# Allegro board S071AA-0413-20260427.brd (continued)
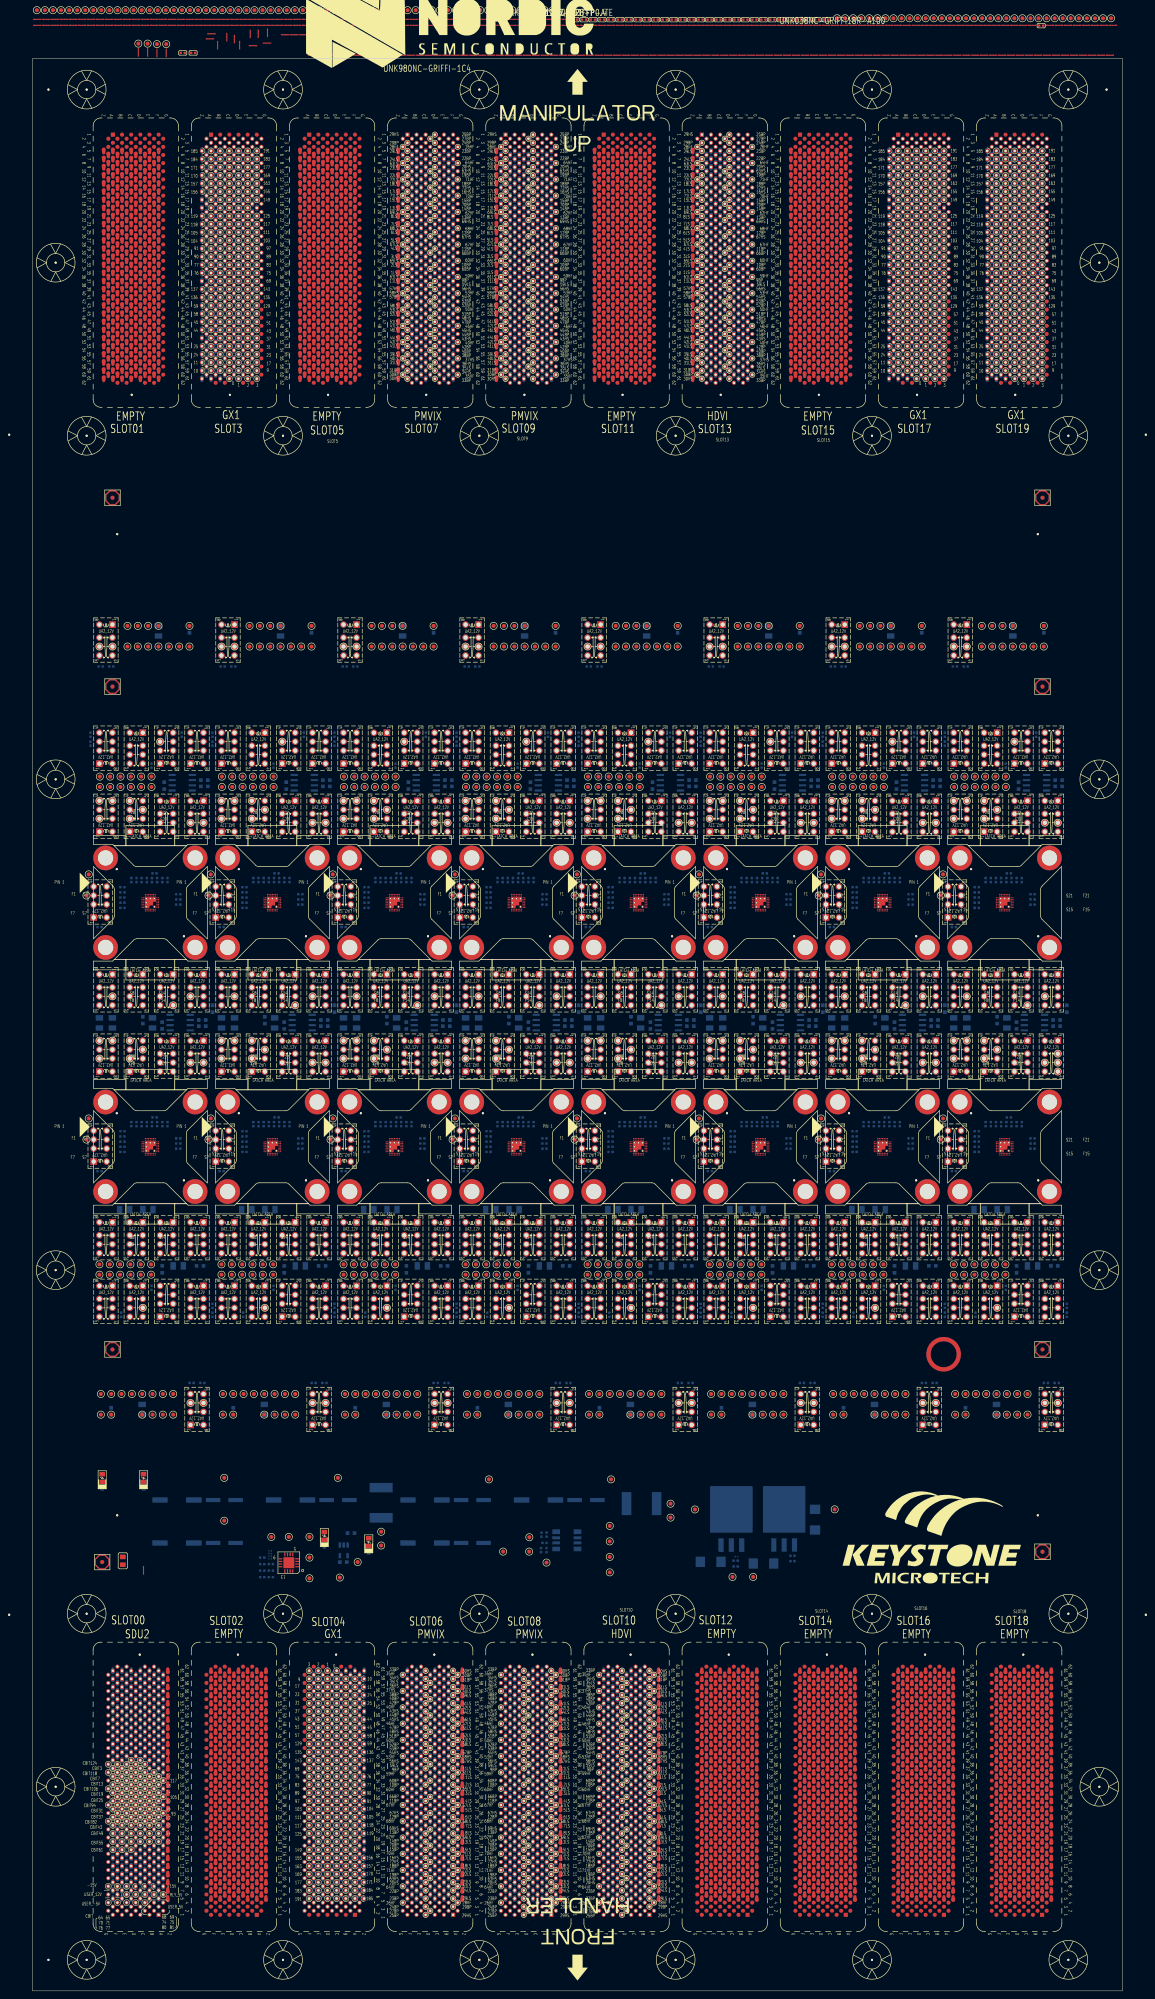
[diagram p0: board, top side]
## Placement (name value [footprint] x y rotation side) (continued)
NOREF#434  -  []  26.56 164.05 90 top
NOREF#435  -  []  222.06 230.38 90 top
NOREF#436  -  []  164.98 190.99 90 top
NOREF#437  -  []  91.4 233.58 0 top
NOREF#438  -  []  26.58 124.95 90 top
NOREF#439  -  []  154.59 225.98 90 top
NOREF#440  -  []  222.48 225.18 0 top
NOREF#441  -  []  178.35 207.84 45 top
NOREF#442  -  []  192.06 246.67 90 top
NOREF#443  -  []  194.98 281.49 90 top
NOREF#444  -  []  158.86 173.3 0 top
NOREF#445  -  []  87.13 183.53 90 top
NOREF#446  -  []  92.17 396.29 0 top
NOREF#447  -  []  68.04 456.29 0 top
NOREF#448  -  []  239.29 267.51 45 top
NOREF#449  -  []  61.01 206.29 90 top
NOREF#450  -  []  121.39 292.54 0 top
NOREF#451  -  []  147.04 82.65 0 top
NOREF#452  -  []  243.43 179.68 90 top
NOREF#453  -  []  42.06 183.53 90 top
NOREF#454  -  []  149.42 18.69 0 top
NOREF#455  -  []  161.4 298.06 90 top
NOREF#456  -  []  97.24 199.24 90 top
NOREF#457  -  []  53.93 284.94 90 top
NOREF#458  -  []  30.19 205.86 90 top
NOREF#459  -  []  105.36 120.65 0 top
NOREF#460  -  []  98.86 139.12 0 top
NOREF#461  -  []  118.35 207.84 315 top
NOREF#462  -  []  128.86 233.58 0 top
NOREF#463  -  []  241.39 292.54 0 top
NOREF#464  -  []  27.13 246.67 90 top
NOREF#465  -  []  195.06 263.86 90 top
NOREF#466  -  []  83.38 284.14 90 top
NOREF#467  -  []  248.86 233.58 0 top
NOREF#468  -  []  14.99 283.99 0 top
NOREF#469  -  []  57.79 209.51 0 top
NOREF#470  -  []  95.02 284.14 0 top
NOREF#471  -  []  58.65 266.87 45 top
NOREF#472  -  []  248.86 139.12 90 top
NOREF#473  -  []  46.47 335.86 0 top
NOREF#474  -  []  138.48 310.08 0 top
NOREF#475  -  []  26.56 224.33 90 top
NOREF#476  -  []  15.06 269.26 90 top
NOREF#477  -  []  26.39 82.65 0 top
NOREF#478  -  []  115.97 164.05 90 top
NOREF#479  -  []  136.47 301.68 0 top
NOREF#480  -  []  61.4 165.7 90 top
NOREF#481  -  []  52.99 286.49 0 top
NOREF#482  -  []  128.86 188.93 0 top
NOREF#483  -  []  226.47 307.08 90 top
NOREF#484  -  []  248.39 253.49 45 top
NOREF#485  -  []  21.07 240.62 90 top
NOREF#486  -  []  25.39 17.15 90 top
NOREF#487  -  []  109.94 164.9 0 top
NOREF#488  -  []  14.22 225.18 90 top
NOREF#489  -  []  20.22 174.1 0 top
NOREF#490  -  []  116.96 268.69 0 top
NOREF#491  -  []  169.67 183.53 90 top
NOREF#492  -  []  248.86 139.12 0 top
NOREF#493  -  []  218.86 188.93 0 top
NOREF#494  -  []  98.86 292.54 0 top
NOREF#495  -  []  194.3 17.15 90 top
NOREF#496  -  []  31.4 292.54 0 top
NOREF#497  -  []  108.36 179.68 90 top
NOREF#498  -  []  194.98 283.99 0 top
NOREF#499  -  []  169.67 181.33 90 top
NOREF#500  -  []  102.06 230.38 90 top
NOREF#501  -  []  222.06 244.47 90 top
NOREF#502  -  []  226.47 173.3 0 top
NOREF#503  -  []  15.07 337.51 0 top
NOREF#504  -  []  93.61 203.06 0 top
NOREF#505  -  []  15.06 263.86 0 top
NOREF#506  -  []  22.99 226.49 0 top
NOREF#507  -  []  31.4 168.9 90 top
NOREF#508  -  []  191.4 298.06 90 top
NOREF#509  -  []  158.39 253.49 45 top
NOREF#510  -  []  225.06 203.86 0 top
NOREF#511  -  []  98.39 193.49 45 top
NOREF#512  -  []  134.98 193.49 90 top
NOREF#513  -  []  220.89 239.1 90 top
NOREF#514  -  []  199.67 246.67 90 top
NOREF#515  -  []  208.35 267.84 45 top
NOREF#516  -  []  224.98 223.99 0 top
NOREF#517  -  []  243.41 250.67 0 top
NOREF#518  -  []  148.35 267.84 45 top
NOREF#519  -  []  104.99 221.49 90 top
NOREF#520  -  []  241.58 392.33 90 top
NOREF#521  -  []  132.06 183.53 90 top
NOREF#522  -  []  170.17 17.15 90 top
NOREF#523  -  []  76.47 301.68 90 top
NOREF#524  -  []  87.13 303.88 90 top
NOREF#525  -  []  79.28 18.69 0 top
NOREF#526  -  []  207.36 268.69 0 top
NOREF#527  -  []  72.48 284.14 0 top
NOREF#528  -  []  221.02 174.1 0 top
NOREF#529  -  []  117.13 301.68 90 top
NOREF#530  -  []  68.86 144.52 90 top
NOREF#531  -  []  165.92 225.18 90 top
NOREF#532  -  []  119.39 269.51 0 top
NOREF#533  -  []  169.67 244.47 90 top
NOREF#534  -  []  58.12 108.17 0 top
NOREF#535  -  []  154.59 181.33 90 top
NOREF#536  -  []  166.47 288.14 90 top
NOREF#537  -  []  57.13 165.7 90 top
NOREF#538  -  []  147.36 208.69 0 top
NOREF#539  -  []  147.13 183.53 90 top
NOREF#540  -  []  55.97 240.62 90 top
NOREF#541  -  []  196.47 225.98 90 top
NOREF#542  -  []  214.59 242.27 90 top
NOREF#543  -  []  192.06 287.14 90 top
NOREF#544  -  []  237.13 167.9 90 top
NOREF#545  -  []  164.19 105.45 0 top
NOREF#546  -  []  136.47 304.88 90 top
NOREF#547  -  []  211.39 292.54 0 top
NOREF#548  -  []  101.4 298.06 90 top
NOREF#549  -  []  38.51 105.11 0 top
NOREF#550  -  []  199.67 183.53 90 top
NOREF#551  -  []  57.13 185.73 90 top
NOREF#552  -  []  205.94 293.34 0 top
NOREF#553  -  []  132.06 284.94 90 top
NOREF#554  -  []  135.92 300.88 90 top
NOREF#555  -  []  147.13 246.67 90 top
NOREF#556  -  []  235.97 326.61 90 top
NOREF#557  -  []  213.43 164.05 90 top
NOREF#558  -  []  203.93 225.98 0 top
NOREF#559  -  []  43.88 117.35 90 top
NOREF#560  -  []  226.47 284.94 0 top
NOREF#561  -  []  65.02 225.18 0 top
NOREF#562  -  []  46.47 249.87 0 top
NOREF#563  -  []  30.67 176.51 90 top
NOREF#564  -  []  26.96 208.69 0 top
NOREF#565  -  []  100.89 283.29 90 top
NOREF#566  -  []  224.98 250.99 90 top
NOREF#567  -  []  79.67 185.73 90 top
NOREF#568  -  []  173.93 225.98 90 top
NOREF#569  -  []  85.97 240.62 90 top
NOREF#570  -  []  168.36 224.33 90 top
NOREF#571  -  []  79.67 181.33 90 top
NOREF#572  -  []  154.83 116.76 90 top
NOREF#573  -  []  43.91 456.29 0 top
NOREF#574  -  []  170.73 275.74 0 top
NOREF#575  -  []  166.47 284.94 0 top
NOREF#576  -  []  192.06 183.53 90 top
NOREF#577  -  []  210.18 265.86 90 top
NOREF#578  -  []  50.49 270.77 0 top
NOREF#579  -  []  130.18 389.27 90 top
NOREF#580  -  []  240.33 206.14 90 top
NOREF#581  -  []  244.59 289.34 90 top
NOREF#582  -  []  226.47 304.88 90 top
NOREF#583  -  []  22.99 286.49 0 top
NOREF#584  -  []  119.32 268.11 315 top
NOREF#585  -  []  71.4 296.54 90 top
NOREF#586  -  []  142.98 188.49 0 top
NOREF#587  -  []  247.23 199.24 90 top
NOREF#588  -  []  173.93 288.14 90 top
NOREF#589  -  []  212.82 456.29 0 top
NOREF#590  -  []  132.48 225.18 0 top
NOREF#591  -  []  136.47 231.38 90 top
NOREF#592  -  []  102.06 246.67 90 top
NOREF#593  -  []  46.47 225.98 0 top
NOREF#594  -  []  20.49 210.77 0 top
NOREF#595  -  []  28.37 267.15 315 top
NOREF#596  -  []  212.81 18.69 0 top
NOREF#597  -  []  195.06 267.06 90 top
NOREF#598  -  []  128.86 304.88 90 top
NOREF#599  -  []  248.19 18.69 90 top
NOREF#600  -  []  90.34 266.14 90 top
NOREF#601  -  []  33.43 179.68 90 top
NOREF#602  -  []  181.39 249.87 0 top
NOREF#603  -  []  239.38 209.51 0 top
NOREF#604  -  []  139.67 165.7 90 top
NOREF#605  -  []  120.84 164.9 90 top
NOREF#606  -  []  120.34 206.14 90 top
NOREF#607  -  []  238.35 207.84 315 top
NOREF#608  -  []  23.93 284.94 90 top
NOREF#609  -  []  237.36 268.69 0 top
NOREF#610  -  []  72.06 230.38 90 top
NOREF#611  -  []  237.36 208.69 0 top
NOREF#612  -  []  71.02 250.67 0 top
NOREF#613  -  []  151.39 233.58 0 top
NOREF#614  -  []  16.47 307.08 90 top
NOREF#615  -  []  33.99 389.27 90 top
NOREF#616  -  []  91.4 301.68 90 top
NOREF#617  -  []  68.86 301.68 90 top
NOREF#618  -  []  16.47 188.93 0 top
NOREF#619  -  []  19.67 185.73 90 top
NOREF#620  -  []  64.59 284.94 90 top
NOREF#621  -  []  170.48 270.77 0 top
NOREF#622  -  []  68.04 456.29 90 top
NOREF#623  -  []  232.08 83.81 0 top
NOREF#624  -  []  173.38 284.14 90 top
NOREF#625  -  []  43.88 106.81 90 top
NOREF#626  -  []  71.03 110.73 90 top
NOREF#627  -  []  87.13 167.9 90 top
NOREF#628  -  []  248.86 173.3 0 top
NOREF#629  -  []  49.67 167.9 90 top
NOREF#630  -  []  106.47 231.38 90 top
NOREF#631  -  []  237.13 242.27 90 top
NOREF#632  -  []  83.38 225.18 90 top
NOREF#633  -  []  166.47 231.38 90 top
NOREF#634  -  []  221.4 296.54 90 top
NOREF#635  -  []  43.88 117.35 0 top
NOREF#636  -  []  164.98 221.49 90 top
NOREF#637  -  []  57.13 181.33 90 top
NOREF#638  -  []  53.93 231.38 90 top
NOREF#639  -  []  75.06 203.86 90 top
NOREF#640  -  []  31.4 307.08 90 top
NOREF#641  -  []  244.59 244.47 90 top
NOREF#642  -  []  130.89 283.29 90 top
NOREF#643  -  []  210.18 205.86 90 top
NOREF#644  -  []  94.59 181.33 90 top
NOREF#645  -  []  28.53 300.03 90 top
NOREF#646  -  []  190.89 239.1 90 top
NOREF#647  -  []  31.4 233.58 0 top
NOREF#648  -  []  143.93 284.94 90 top
NOREF#649  -  []  148.65 266.87 45 top
NOREF#650  -  []  68.39 193.49 45 top
NOREF#651  -  []  194.3 17.15 0 top
NOREF#652  -  []  181.01 206.69 90 top
NOREF#653  -  []  211.39 301.68 0 top
NOREF#654  -  []  19.67 167.9 90 top
NOREF#655  -  []  195.3 82.65 0 top
NOREF#656  -  []  83.93 288.14 90 top
NOREF#657  -  []  169.67 246.67 90 top
NOREF#658  -  []  240.18 265.86 90 top
NOREF#659  -  []  40.9 239.1 90 top
NOREF#660  -  []  38.39 193.49 45 top
NOREF#661  -  []  229.67 165.7 90 top
NOREF#662  -  []  83.93 309.28 0 top
NOREF#663  -  []  22.53 283.29 0 top
NOREF#664  -  []  137.98 196.49 90 top
NOREF#665  -  []  176.71 103.44 90 top
NOREF#666  -  []  94.59 183.53 90 top
NOREF#667  -  []  145.94 293.34 0 top
NOREF#668  -  []  68.86 249.87 0 top
NOREF#669  -  []  190.89 224.33 90 top
NOREF#670  -  []  181.39 233.58 0 top
NOREF#671  -  []  41.02 336.66 0 top
NOREF#672  -  []  53.93 173.3 0 top
NOREF#673  -  []  68.04 396.29 0 top
NOREF#674  -  []  132.06 244.47 90 top
NOREF#675  -  []  28.35 267.84 315 top
NOREF#676  -  []  179.29 267.51 45 top
NOREF#677  -  []  101.02 174.1 0 top
NOREF#678  -  []  58.45 115.65 90 top
NOREF#679  -  []  206.96 208.69 0 top
NOREF#680  -  []  113.93 173.3 0 top
NOREF#681  -  []  135.56 82.55 0 top
NOREF#682  -  []  196.47 284.94 0 top
NOREF#683  -  []  91.4 188.93 0 top
NOREF#684  -  []  29.39 269.51 0 top
NOREF#685  -  []  86.96 208.69 0 top
NOREF#686  -  []  57.64 268.84 0 top
NOREF#687  -  []  34.6 183.53 90 top
NOREF#688  -  []  210.33 266.14 90 top
NOREF#689  -  []  127.55 203.78 0 top
NOREF#690  -  []  28.65 206.87 45 top
NOREF#691  -  []  198.36 283.29 90 top
NOREF#692  -  []  121.39 165.7 90 top
NOREF#693  -  []  88.35 207.84 45 top
NOREF#694  -  []  177.79 209.51 0 top
NOREF#695  -  []  192.06 230.38 90 top
NOREF#696  -  []  243.43 240.62 90 top
NOREF#697  -  []  57.82 107.19 0 top
NOREF#698  -  []  226.47 225.98 90 top
NOREF#699  -  []  34.6 289.34 90 top
NOREF#700  -  []  210.84 300.88 90 top
NOREF#701  -  []  252.06 170.1 90 top
NOREF#702  -  []  233.93 231.38 90 top
NOREF#703  -  []  109.67 244.47 90 top
NOREF#704  -  []  160.89 240.62 90 top
NOREF#705  -  []  199.67 181.33 90 top
NOREF#706  -  []  87.3 16.49 0 top
NOREF#707  -  []  187.36 333.84 90 top
NOREF#708  -  []  188.86 144.52 90 top
NOREF#709  -  []  191.4 296.54 90 top
NOREF#710  -  []  165.06 267.06 90 top
NOREF#711  -  []  27.64 208.84 0 top
NOREF#712  -  []  72.06 289.34 90 top
NOREF#713  -  []  147.13 167.9 90 top
NOREF#714  -  []  127.55 454.29 90 top
NOREF#715  -  []  203.93 225.98 90 top
NOREF#716  -  []  91.4 249.87 0 top
NOREF#717  -  []  252.06 181.33 90 top
NOREF#718  -  []  55.88 237.76 90 top
NOREF#719  -  []  244.59 225.98 90 top
NOREF#720  -  []  205.97 179.68 90 top
NOREF#721  -  []  227.98 218.49 0 top
NOREF#722  -  []  162.06 289.34 90 top
NOREF#723  -  []  113.93 284.94 0 top
NOREF#724  -  []  11.02 189.73 0 top
NOREF#725  -  []  153.41 234.38 0 top
NOREF#726  -  []  30.51 115.65 90 top
NOREF#727  -  []  59.02 106.54 90 top
NOREF#728  -  []  215.02 284.14 0 top
NOREF#729  -  []  229.67 246.67 90 top
NOREF#730  -  []  218.31 300.88 90 top
NOREF#731  -  []  64.59 181.33 90 top
NOREF#732  -  []  22.99 188.49 90 top
NOREF#733  -  []  226.47 284.94 90 top
NOREF#734  -  []  16.47 225.98 0 top
NOREF#735  -  []  161.02 336.66 0 top
NOREF#736  -  []  143.93 229.18 90 top
NOREF#737  -  []  55.97 326.61 90 top
NOREF#738  -  []  214.59 284.94 90 top
NOREF#739  -  []  138.18 452.29 90 top
NOREF#740  -  []  134.51 203.06 90 top
NOREF#741  -  []  180.33 206.14 90 top
NOREF#742  -  []  175.64 106.94 0 top
NOREF#743  -  []  35.02 284.14 0 top
NOREF#744  -  []  208.65 266.87 45 top
NOREF#745  -  []  82.73 114.89 0 top
NOREF#746  -  []  145.06 392.33 90 top
NOREF#747  -  []  252.06 228.18 90 top
NOREF#748  -  []  46.47 188.93 0 top
NOREF#749  -  []  87.41 300.88 0 top
NOREF#750  -  []  143.93 231.38 90 top
NOREF#751  -  []  184.59 244.47 90 top
NOREF#752  -  []  55.97 164.05 90 top
NOREF#753  -  []  163.42 19.69 90 top
NOREF#754  -  []  209.32 208.11 315 top
NOREF#755  -  []  164.51 203.06 90 top
NOREF#756  -  []  106.47 284.94 90 top
NOREF#757  -  []  49.95 164.9 0 top
NOREF#758  -  []  128.31 300.88 90 top
NOREF#759  -  []  172.46 106.41 0 top
NOREF#760  -  []  132.06 167.9 90 top
NOREF#761  -  []  90.84 300.88 90 top
NOREF#762  -  []  45.06 263.86 90 top
NOREF#763  -  []  165.06 203.86 90 top
NOREF#764  -  []  124.59 183.53 90 top
NOREF#765  -  []  104.84 117.35 90 top
NOREF#766  -  []  78.48 189.73 0 top
NOREF#767  -  []  123.41 250.67 0 top
NOREF#768  -  []  36 283.29 90 top
NOREF#769  -  []  173.93 290.34 90 top
NOREF#770  -  []  218.86 249.87 0 top
NOREF#771  -  []  240.67 176.51 90 top
NOREF#772  -  []  136.47 249.87 0 top
NOREF#773  -  []  30.34 206.14 90 top
NOREF#774  -  []  76.47 284.94 0 top
NOREF#775  -  []  30.65 236.45 90 top
NOREF#776  -  []  82.99 188.49 0 top
NOREF#777  -  []  228.48 189.73 0 top
NOREF#778  -  []  148.65 206.87 45 top
NOREF#779  -  []  197.98 278.49 0 top
NOREF#780  -  []  170.17 17.15 0 top
NOREF#781  -  []  162.06 167.9 90 top
NOREF#782  -  []  134.98 281.49 90 top
NOREF#783  -  []  184.59 284.94 90 top
NOREF#784  -  []  175.7 258.99 90 top
NOREF#785  -  []  178.37 267.15 315 top
NOREF#786  -  []  136.47 290.34 90 top
NOREF#787  -  []  218.86 292.54 0 top
NOREF#788  -  []  26.31 123.41 90 top
NOREF#789  -  []  58.12 106.22 0 top
NOREF#790  -  []  243.41 234.38 0 top
NOREF#791  -  []  94.59 244.47 90 top
NOREF#792  -  []  168.48 310.08 0 top
NOREF#793  -  []  77.46 112.09 90 top
NOREF#794  -  []  163.73 103.85 90 top
NOREF#795  -  []  192.06 167.9 90 top
NOREF#796  -  []  226.47 288.14 90 top
NOREF#797  -  []  105.92 300.88 90 top
NOREF#798  -  []  219.43 82.65 0 top
NOREF#799  -  []  52.99 226.49 0 top
NOREF#800  -  []  132.78 117.35 90 top
NOREF#801  -  []  218.86 307.08 90 top
NOREF#802  -  []  147.41 138.32 0 top
NOREF#803  -  []  145.97 179.68 90 top
NOREF#804  -  []  59.29 267.51 45 top
NOREF#805  -  []  81.95 109.2 90 top
NOREF#806  -  []  134.98 250.99 90 top
NOREF#807  -  []  166.47 284.94 90 top
NOREF#808  -  []  104.99 223.99 0 top
NOREF#809  -  []  58.12 389.27 90 top
NOREF#810  -  []  238.37 267.15 315 top
NOREF#811  -  []  16.47 290.34 90 top
NOREF#812  -  []  98.78 82.65 0 top
NOREF#813  -  []  172.98 286.49 0 top
NOREF#814  -  []  214.59 230.38 90 top
NOREF#815  -  []  218.86 301.68 90 top
NOREF#816  -  []  60.19 265.47 90 top
NOREF#817  -  []  213.61 263.06 0 top
NOREF#818  -  []  247.36 333.84 90 top
NOREF#819  -  []  188.31 300.88 90 top
NOREF#820  -  []  233.93 188.93 0 top
NOREF#821  -  []  214.59 225.98 90 top
NOREF#822  -  []  162.06 225.98 90 top
NOREF#823  -  []  122.91 82.65 0 top
NOREF#824  -  []  195.06 263.86 0 top
NOREF#825  -  []  214.59 228.18 90 top
NOREF#826  -  []  109.67 332.66 90 top
NOREF#827  -  []  232.98 248.49 0 top
NOREF#828  -  []  104.99 253.49 90 top
NOREF#829  -  []  57.79 269.51 0 top
NOREF#830  -  []  45.06 269.26 90 top
NOREF#831  -  []  147.13 242.27 90 top
NOREF#832  -  []  175.94 234.38 0 top
NOREF#833  -  []  180.65 236.45 90 top
NOREF#834  -  []  71.82 117.35 0 top
NOREF#835  -  []  36.61 138.32 90 top
NOREF#836  -  []  175.8 18.69 90 top
NOREF#837  -  []  29.15 164.9 0 top
NOREF#838  -  []  67.24 259.24 90 top
NOREF#839  -  []  194.98 223.99 0 top
NOREF#840  -  []  28.35 207.84 45 top
NOREF#841  -  []  44.99 190.99 90 top
NOREF#842  -  []  233.93 288.14 90 top
NOREF#843  -  []  71.4 298.06 90 top
NOREF#844  -  []  90.84 164.9 90 top
NOREF#845  -  []  100.9 239.1 90 top
NOREF#846  -  []  215.02 300.88 0 top
NOREF#847  -  []  202.98 286.49 0 top
NOREF#848  -  []  150.18 205.47 90 top
NOREF#849  -  []  225.06 263.86 0 top
NOREF#850  -  []  136.47 307.08 90 top
NOREF#851  -  []  226.47 231.38 90 top
NOREF#852  -  []  117.79 269.51 0 top
NOREF#853  -  []  205.97 164.05 90 top
NOREF#854  -  []  203.93 229.18 90 top
NOREF#855  -  []  134.98 281.49 90 top
NOREF#856  -  []  153.41 174.1 0 top
NOREF#857  -  []  16.42 124.95 90 top
NOREF#858  -  []  240.33 266.14 90 top
NOREF#859  -  []  137.98 278.49 0 top
NOREF#860  -  []  63.19 457.2 0 top
NOREF#861  -  []  79.28 18.69 90 top
NOREF#862  -  []  250.89 240.62 90 top
NOREF#863  -  []  148.35 207.84 315 top
NOREF#864  -  []  15.07 300.03 90 top
NOREF#865  -  []  77.99 278.49 0 top
NOREF#866  -  []  180.18 265.47 90 top
NOREF#867  -  []  149.32 268.11 315 top
NOREF#868  -  []  207.13 185.73 90 top
NOREF#869  -  []  132.78 117.35 0 top
NOREF#870  -  []  195.92 284.14 90 top
NOREF#871  -  []  50.49 210.77 0 top
NOREF#872  -  []  31.96 297.11 0 top
NOREF#873  -  []  19.67 244.47 90 top
NOREF#874  -  []  37.36 333.84 90 top
NOREF#875  -  []  15.06 203.86 0 top
NOREF#876  -  []  60.19 205.47 90 top
NOREF#877  -  []  91.4 304.88 90 top
NOREF#878  -  []  102.06 244.47 90 top
NOREF#879  -  []  104.51 203.06 90 top
NOREF#880  -  []  67.24 199.24 90 top
NOREF#881  -  []  196.47 304.88 90 top
NOREF#882  -  []  120.18 265.86 90 top
NOREF#883  -  []  203.93 284.94 0 top
NOREF#884  -  []  228.36 283.29 90 top
NOREF#885  -  []  258.36 164.05 90 top
NOREF#886  -  []  207.13 246.67 90 top
NOREF#887  -  []  218.39 193.49 45 top
NOREF#888  -  []  242.56 17.15 90 top
NOREF#889  -  []  136.47 335.86 0 top
NOREF#890  -  []  177.13 246.67 90 top
NOREF#891  -  []  140.48 270.77 0 top
NOREF#892  -  []  236.96 268.69 0 top
NOREF#893  -  []  64.59 228.18 90 top
NOREF#894  -  []  97.24 259.24 90 top
NOREF#895  -  []  108.48 250.67 0 top
NOREF#896  -  []  102.48 225.18 0 top
NOREF#897  -  []  119.39 209.51 0 top
NOREF#898  -  []  79.67 242.27 90 top
NOREF#899  -  []  17.53 452.29 90 top
NOREF#900  -  []  95.02 225.18 0 top
NOREF#901  -  []  151.39 165.7 90 top
NOREF#902  -  []  109.67 246.67 90 top
NOREF#903  -  []  108.48 174.1 0 top
NOREF#904  -  []  41.02 174.1 0 top
NOREF#905  -  []  16.47 301.68 90 top
NOREF#906  -  []  25.95 234.38 0 top
NOREF#907  -  []  14.22 225.18 0 top
NOREF#908  -  []  123.61 203.06 0 top
NOREF#909  -  []  213.43 179.68 90 top
NOREF#910  -  []  194.98 250.99 90 top
NOREF#911  -  []  93.43 179.68 90 top
NOREF#912  -  []  105.06 209.26 90 top
NOREF#913  -  []  192.06 242.27 90 top
NOREF#914  -  []  63.43 179.68 90 top
NOREF#915  -  []  248.31 138.32 90 top
NOREF#916  -  []  140.48 210.77 0 top
NOREF#917  -  []  149.39 209.51 0 top
NOREF#918  -  []  60.84 300.88 90 top
NOREF#919  -  []  211.39 165.7 0 top
NOREF#920  -  []  100.89 240.62 90 top
NOREF#921  -  []  63.41 234.38 0 top
NOREF#922  -  []  143.93 188.93 0 top
NOREF#923  -  []  248.86 144.52 90 top
NOREF#924  -  []  121.39 307.08 90 top
NOREF#925  -  []  85.88 237.76 90 top
NOREF#926  -  []  117.13 165.7 90 top
NOREF#927  -  []  175.64 103.13 90 top
NOREF#928  -  []  87.64 208.84 0 top
NOREF#929  -  []  162.06 181.33 90 top
NOREF#930  -  []  120.18 205.86 90 top
NOREF#931  -  []  23.93 284.94 0 top
NOREF#932  -  []  76.47 231.38 90 top
NOREF#933  -  []  13.66 262.21 90 top
NOREF#934  -  []  222.06 185.73 90 top
NOREF#935  -  []  81.68 107.67 90 top
NOREF#936  -  []  72.06 185.73 90 top
NOREF#937  -  []  97.55 203.78 0 top
NOREF#938  -  []  27.13 183.53 90 top
NOREF#939  -  []  70.9 239.1 90 top
NOREF#940  -  []  200.73 275.74 0 top
NOREF#941  -  []  232.98 248.49 90 top
NOREF#942  -  []  192.06 170.1 90 top
NOREF#943  -  []  181.39 168.9 90 top
NOREF#944  -  []  46.47 304.88 90 top
NOREF#945  -  []  117.41 138.32 0 top
NOREF#946  -  []  184.59 228.18 90 top
NOREF#947  -  []  248.66 177.76 90 top
NOREF#948  -  []  104.99 193.49 90 top
NOREF#949  -  []  149.29 207.51 45 top
NOREF#950  -  []  198.48 174.1 0 top
NOREF#951  -  []  203.93 284.94 90 top
NOREF#952  -  []  177.41 300.88 0 top
NOREF#953  -  []  110.74 215.74 0 top
NOREF#954  -  []  151.39 307.08 90 top
NOREF#955  -  []  104.99 281.49 90 top
NOREF#956  -  []  224.06 18.69 90 top
NOREF#957  -  []  173.56 456.29 0 top
NOREF#958  -  []  139.67 185.73 90 top
NOREF#959  -  []  16.15 127.85 0 top
NOREF#960  -  []  248.86 301.68 90 top
NOREF#961  -  []  30.19 265.47 90 top
NOREF#962  -  []  148.35 207.84 45 top
NOREF#963  -  []  29.15 164.9 90 top
NOREF#964  -  []  192.06 185.73 90 top
NOREF#965  -  []  57.36 268.69 0 top
NOREF#966  -  []  74.99 193.49 90 top
NOREF#967  -  []  149.43 456.29 0 top
NOREF#968  -  []  72.06 181.33 90 top
NOREF#969  -  []  48.48 189.73 0 top
NOREF#970  -  []  19.67 242.27 90 top
NOREF#971  -  []  93.43 300.03 90 top
NOREF#972  -  []  22.53 251.52 0 top
NOREF#973  -  []  164.98 281.49 90 top
NOREF#974  -  []  102.06 228.18 90 top
NOREF#975  -  []  158.86 142.32 90 top
NOREF#976  -  []  105.92 284.14 90 top
NOREF#977  -  []  136.47 173.3 0 top
NOREF#978  -  []  49.67 183.53 90 top
NOREF#979  -  []  27.36 268.69 0 top
NOREF#980  -  []  49.67 181.33 90 top
NOREF#981  -  []  38.86 307.08 90 top
NOREF#982  -  []  202.98 188.49 0 top
NOREF#983  -  []  203.93 249.87 0 top
NOREF#984  -  []  82.99 286.49 0 top
NOREF#985  -  []  241.39 233.58 0 top
NOREF#986  -  []  124.59 284.94 90 top
NOREF#987  -  []  106.47 335.86 0 top
NOREF#988  -  []  212.82 456.29 90 top
NOREF#989  -  []  173.93 249.87 0 top
NOREF#990  -  []  90.18 265.47 90 top
NOREF#991  -  []  121.39 188.93 0 top
NOREF#992  -  []  104.84 117.35 0 top
NOREF#993  -  []  121.01 266.69 90 top
NOREF#994  -  []  53.93 188.93 0 top
NOREF#995  -  []  76.47 188.93 0 top
NOREF#996  -  []  105.92 225.18 90 top
NOREF#997  -  []  37.55 263.78 0 top
NOREF#998  -  []  196.47 249.87 0 top
NOREF#999  -  []  97.78 17.2 0 top
NOREF#1000  -  []  48.48 174.1 0 top
NOREF#1001  -  []  14.99 223.99 0 top
NOREF#1002  -  []  128.73 111.38 90 top
NOREF#1003  -  []  26.68 239.46 0 top
NOREF#1004  -  []  135.06 263.86 0 top
NOREF#1005  -  []  196.47 301.68 0 top
NOREF#1006  -  []  237.78 269.51 0 top
NOREF#1007  -  []  153.41 189.73 0 top
NOREF#1008  -  []  85.97 179.68 90 top
NOREF#1009  -  []  235.94 293.34 0 top
NOREF#1010  -  []  61.01 266.29 90 top
NOREF#1011  -  []  64.59 244.47 90 top
NOREF#1012  -  []  151.01 266.69 90 top
NOREF#1013  -  []  72.48 225.18 0 top
NOREF#1014  -  []  59.39 269.51 0 top
NOREF#1015  -  []  90.65 236.45 90 top
NOREF#1016  -  []  99.47 115.65 0 top
NOREF#1017  -  []  140.74 275.74 0 top
NOREF#1018  -  []  258.36 283.29 90 top
NOREF#1019  -  []  199.67 165.7 90 top
NOREF#1020  -  []  244.59 287.14 90 top
NOREF#1021  -  []  60.34 206.14 90 top
NOREF#1022  -  []  111.45 458.49 0 top
NOREF#1023  -  []  196.47 335.86 0 top
NOREF#1024  -  []  15.07 283.29 0 top
NOREF#1025  -  []  177.13 185.73 90 top
NOREF#1026  -  []  78.48 310.08 0 top
NOREF#1027  -  []  63.18 16.49 0 top
NOREF#1028  -  []  227.21 143.34 90 top
NOREF#1029  -  []  37.46 300.03 0 top
NOREF#1030  -  []  130.89 179.68 90 top
NOREF#1031  -  []  241.39 249.87 0 top
NOREF#1032  -  []  78.36 179.68 90 top
NOREF#1033  -  []  45.92 225.18 90 top
NOREF#1034  -  []  121.39 168.9 90 top
NOREF#1035  -  []  76.47 290.34 90 top
NOREF#1036  -  []  250.89 283.29 90 top
NOREF#1037  -  []  30.51 105.11 90 top
NOREF#1038  -  []  132.48 284.14 0 top
NOREF#1039  -  []  160.89 179.68 90 top
NOREF#1040  -  []  210.18 205.47 90 top
NOREF#1041  -  []  36 240.62 90 top
NOREF#1042  -  []  23.93 225.98 0 top
NOREF#1043  -  []  28.35 267.84 45 top
NOREF#1044  -  []  135.06 269.26 90 top
NOREF#1045  -  []  213.41 189.73 0 top
NOREF#1046  -  []  105.06 269.26 90 top
NOREF#1047  -  []  190.47 111.76 90 top
NOREF#1048  -  []  111.43 16.49 0 top
NOREF#1049  -  []  113.93 249.87 0 top
NOREF#1050  -  []  91.4 171.1 90 top
NOREF#1051  -  []  47.21 143.34 90 top
NOREF#1052  -  []  149.39 269.51 0 top
NOREF#1053  -  []  45.06 207.06 90 top
NOREF#1054  -  []  222.06 242.27 90 top
NOREF#1055  -  []  72.06 228.18 90 top
NOREF#1056  -  []  166.47 290.34 90 top
NOREF#1057  -  []  64.59 289.34 90 top
NOREF#1058  -  []  210.65 236.45 90 top
NOREF#1059  -  []  243.43 164.05 90 top
NOREF#1060  -  []  165.06 207.06 90 top
NOREF#1061  -  []  116.29 20.69 90 top
NOREF#1062  -  []  14.99 221.49 90 top
NOREF#1063  -  []  139.67 181.33 90 top
NOREF#1064  -  []  239.29 207.51 45 top
NOREF#1065  -  []  229.67 328.26 90 top
NOREF#1066  -  []  173.93 231.38 90 top
NOREF#1067  -  []  241.01 266.69 90 top
NOREF#1068  -  []  233.93 284.94 0 top
NOREF#1069  -  []  140.74 215.74 0 top
NOREF#1070  -  []  143.38 284.14 90 top
NOREF#1071  -  []  63.43 300.03 90 top
NOREF#1072  -  []  100.89 179.68 90 top
NOREF#1073  -  []  181.01 266.69 90 top
NOREF#1074  -  []  68.86 233.58 0 top
NOREF#1075  -  []  184.59 289.34 90 top
NOREF#1076  -  []  157.55 263.78 0 top
NOREF#1077  -  []  229.67 244.47 90 top
NOREF#1078  -  []  89.32 268.11 315 top
NOREF#1079  -  []  238.65 266.87 45 top
NOREF#1080  -  []  209.29 267.51 45 top
NOREF#1081  -  []  151.01 206.69 90 top
NOREF#1082  -  []  237.13 306.08 90 top
NOREF#1083  -  []  225.06 269.26 90 top
NOREF#1084  -  []  160.9 239.1 90 top
NOREF#1085  -  []  180.18 205.86 90 top
NOREF#1086  -  []  82.73 114.89 90 top
NOREF#1087  -  []  57.13 242.27 90 top
NOREF#1088  -  []  14.99 250.99 90 top
NOREF#1089  -  []  26.58 127.15 0 top
NOREF#1090  -  []  211.01 206.69 90 top
NOREF#1091  -  []  187.55 263.78 0 top
NOREF#1092  -  []  134.98 221.49 90 top
NOREF#1093  -  []  98.86 301.68 0 top
NOREF#1094  -  []  184.59 225.98 90 top
NOREF#1095  -  []  177.36 208.69 0 top
NOREF#1096  -  []  40.9 224.33 90 top
NOREF#1097  -  []  108.36 283.29 90 top
NOREF#1098  -  []  240.65 236.45 90 top
NOREF#1099  -  []  115.94 293.34 0 top
NOREF#1100  -  []  159.69 83.81 0 top
NOREF#1101  -  []  180.18 205.47 90 top
NOREF#1102  -  []  220.89 179.68 90 top
NOREF#1103  -  []  112.99 188.49 90 top
NOREF#1104  -  []  226.69 14.59 90 top
NOREF#1105  -  []  59.29 207.51 45 top
NOREF#1106  -  []  16.47 173.3 0 top
NOREF#1107  -  []  61.4 301.68 0 top
NOREF#1108  -  []  104.99 221.49 90 top
NOREF#1109  -  []  248.39 193.49 45 top
NOREF#1110  -  []  162.06 165.7 90 top
NOREF#1111  -  []  60.19 205.86 90 top
NOREF#1112  -  []  150.33 206.14 90 top
NOREF#1113  -  []  233.93 225.98 0 top
NOREF#1114  -  []  150.18 205.86 90 top
NOREF#1115  -  []  190.89 283.29 90 top
NOREF#1116  -  []  207.13 165.7 90 top
NOREF#1117  -  []  112.99 248.49 90 top
NOREF#1118  -  []  150.65 236.45 90 top
NOREF#1119  -  []  176.96 268.69 0 top
NOREF#1120  -  []  199.94 454.29 90 top
NOREF#1121  -  []  33.26 105.11 0 top
NOREF#1122  -  []  0 0 90 top
NOREF#1123  -  []  226.47 229.18 90 top
NOREF#1124  -  []  250.89 179.68 90 top
NOREF#1125  -  []  194.98 221.49 90 top
NOREF#1126  -  []  53.93 225.98 90 top
NOREF#1127  -  []  147.13 181.33 90 top
NOREF#1128  -  []  167.98 196.49 90 top
NOREF#1129  -  []  243.43 300.03 90 top
NOREF#1130  -  []  67.55 203.78 0 top
NOREF#1131  -  []  27.68 174.1 0 top
NOREF#1132  -  []  34.6 225.98 90 top
NOREF#1133  -  []  238.35 267.84 45 top
NOREF#1134  -  []  56.96 208.69 0 top
NOREF#1135  -  []  214.59 181.33 90 top
NOREF#1136  -  []  72.06 287.14 90 top
NOREF#1137  -  []  125.02 300.88 0 top
NOREF#1138  -  []  90.18 205.86 90 top
NOREF#1139  -  []  153.43 300.03 90 top
NOREF#1140  -  []  106.47 284.94 0 top
NOREF#1141  -  []  72.06 244.47 90 top
NOREF#1142  -  []  169.94 300.88 0 top
NOREF#1143  -  []  80.74 215.74 0 top
NOREF#1144  -  []  139.67 242.27 90 top
NOREF#1145  -  []  211.39 304.88 90 top
NOREF#1146  -  []  235.97 179.68 90 top
NOREF#1147  -  []  102.06 181.33 90 top
NOREF#1148  -  []  63.41 293.34 0 top
NOREF#1149  -  []  110.48 270.77 0 top
NOREF#1150  -  []  89.39 269.51 0 top
NOREF#1151  -  []  224.98 221.49 90 top
NOREF#1152  -  []  233.93 229.18 90 top
NOREF#1153  -  []  132.06 181.33 90 top
NOREF#1154  -  []  63.61 203.06 0 top
NOREF#1155  -  []  188.86 188.93 0 top
NOREF#1156  -  []  47.99 278.49 0 top
NOREF#1157  -  []  37.24 259.24 90 top
NOREF#1158  -  []  121.39 249.87 0 top
NOREF#1159  -  []  213.41 174.1 0 top
NOREF#1160  -  []  90.67 176.51 90 top
NOREF#1161  -  []  151.39 249.87 0 top
NOREF#1162  -  []  202.98 226.49 0 top
NOREF#1163  -  []  227.98 196.49 90 top
NOREF#1164  -  []  190.89 237.58 90 top
NOREF#1165  -  []  222.06 246.67 90 top
NOREF#1166  -  []  58.12 107.52 0 top
NOREF#1167  -  []  229.94 300.88 0 top
NOREF#1168  -  []  139.67 330.46 90 top
NOREF#1169  -  []  184.59 242.27 90 top
NOREF#1170  -  []  107.99 218.49 0 top
NOREF#1171  -  []  88.65 206.87 45 top
NOREF#1172  -  []  125.3 456.29 0 top
NOREF#1173  -  []  179.32 268.11 315 top
NOREF#1174  -  []  238.35 267.84 315 top
NOREF#1175  -  []  88.35 267.84 45 top
NOREF#1176  -  []  240.18 265.47 90 top
NOREF#1177  -  []  157.36 333.84 90 top
NOREF#1178  -  []  175.81 454.29 90 top
NOREF#1179  -  []  132.06 287.14 90 top
NOREF#1180  -  []  64.59 246.67 90 top
NOREF#1181  -  []  153.43 240.62 90 top
NOREF#1182  -  []  75.06 263.86 90 top
NOREF#1183  -  []  233.93 290.34 90 top
NOREF#1184  -  []  91.01 266.69 90 top
NOREF#1185  -  []  44.99 250.99 90 top
NOREF#1186  -  []  115.7 198.99 90 top
NOREF#1187  -  []  184.59 230.38 90 top
NOREF#1188  -  []  74.99 281.49 90 top
NOREF#1189  -  []  124.59 181.33 90 top
NOREF#1190  -  []  124.59 287.14 90 top
NOREF#1191  -  []  211.39 249.87 0 top
NOREF#1192  -  []  61.4 168.9 90 top
NOREF#1193  -  []  197.21 143.34 90 top
NOREF#1194  -  []  14.99 221.49 90 top
NOREF#1195  -  []  203.93 309.28 0 top
NOREF#1196  -  []  121.39 165.7 0 top
NOREF#1197  -  []  132.06 246.67 90 top
NOREF#1198  -  []  108.36 224.33 90 top
NOREF#1199  -  []  64.59 183.53 90 top
NOREF#1200  -  []  248.86 142.32 90 top
NOREF#1201  -  []  226.47 249.87 0 top
NOREF#1202  -  []  91.4 165.7 0 top
NOREF#1203  -  []  162.06 228.18 90 top
NOREF#1204  -  []  248.31 300.88 90 top
NOREF#1205  -  []  85.7 258.99 90 top
NOREF#1206  -  []  43.46 283.29 90 top
NOREF#1207  -  []  104.84 106.81 90 top
NOREF#1208  -  []  200.48 210.77 0 top
NOREF#1209  -  []  22.53 310.93 0 top
NOREF#1210  -  []  217.36 333.84 90 top
NOREF#1211  -  []  148.35 267.84 315 top
NOREF#1212  -  []  103.41 18.69 90 top
